# KiCad board tekskey-rounded-num.kicad_pcb (continued)
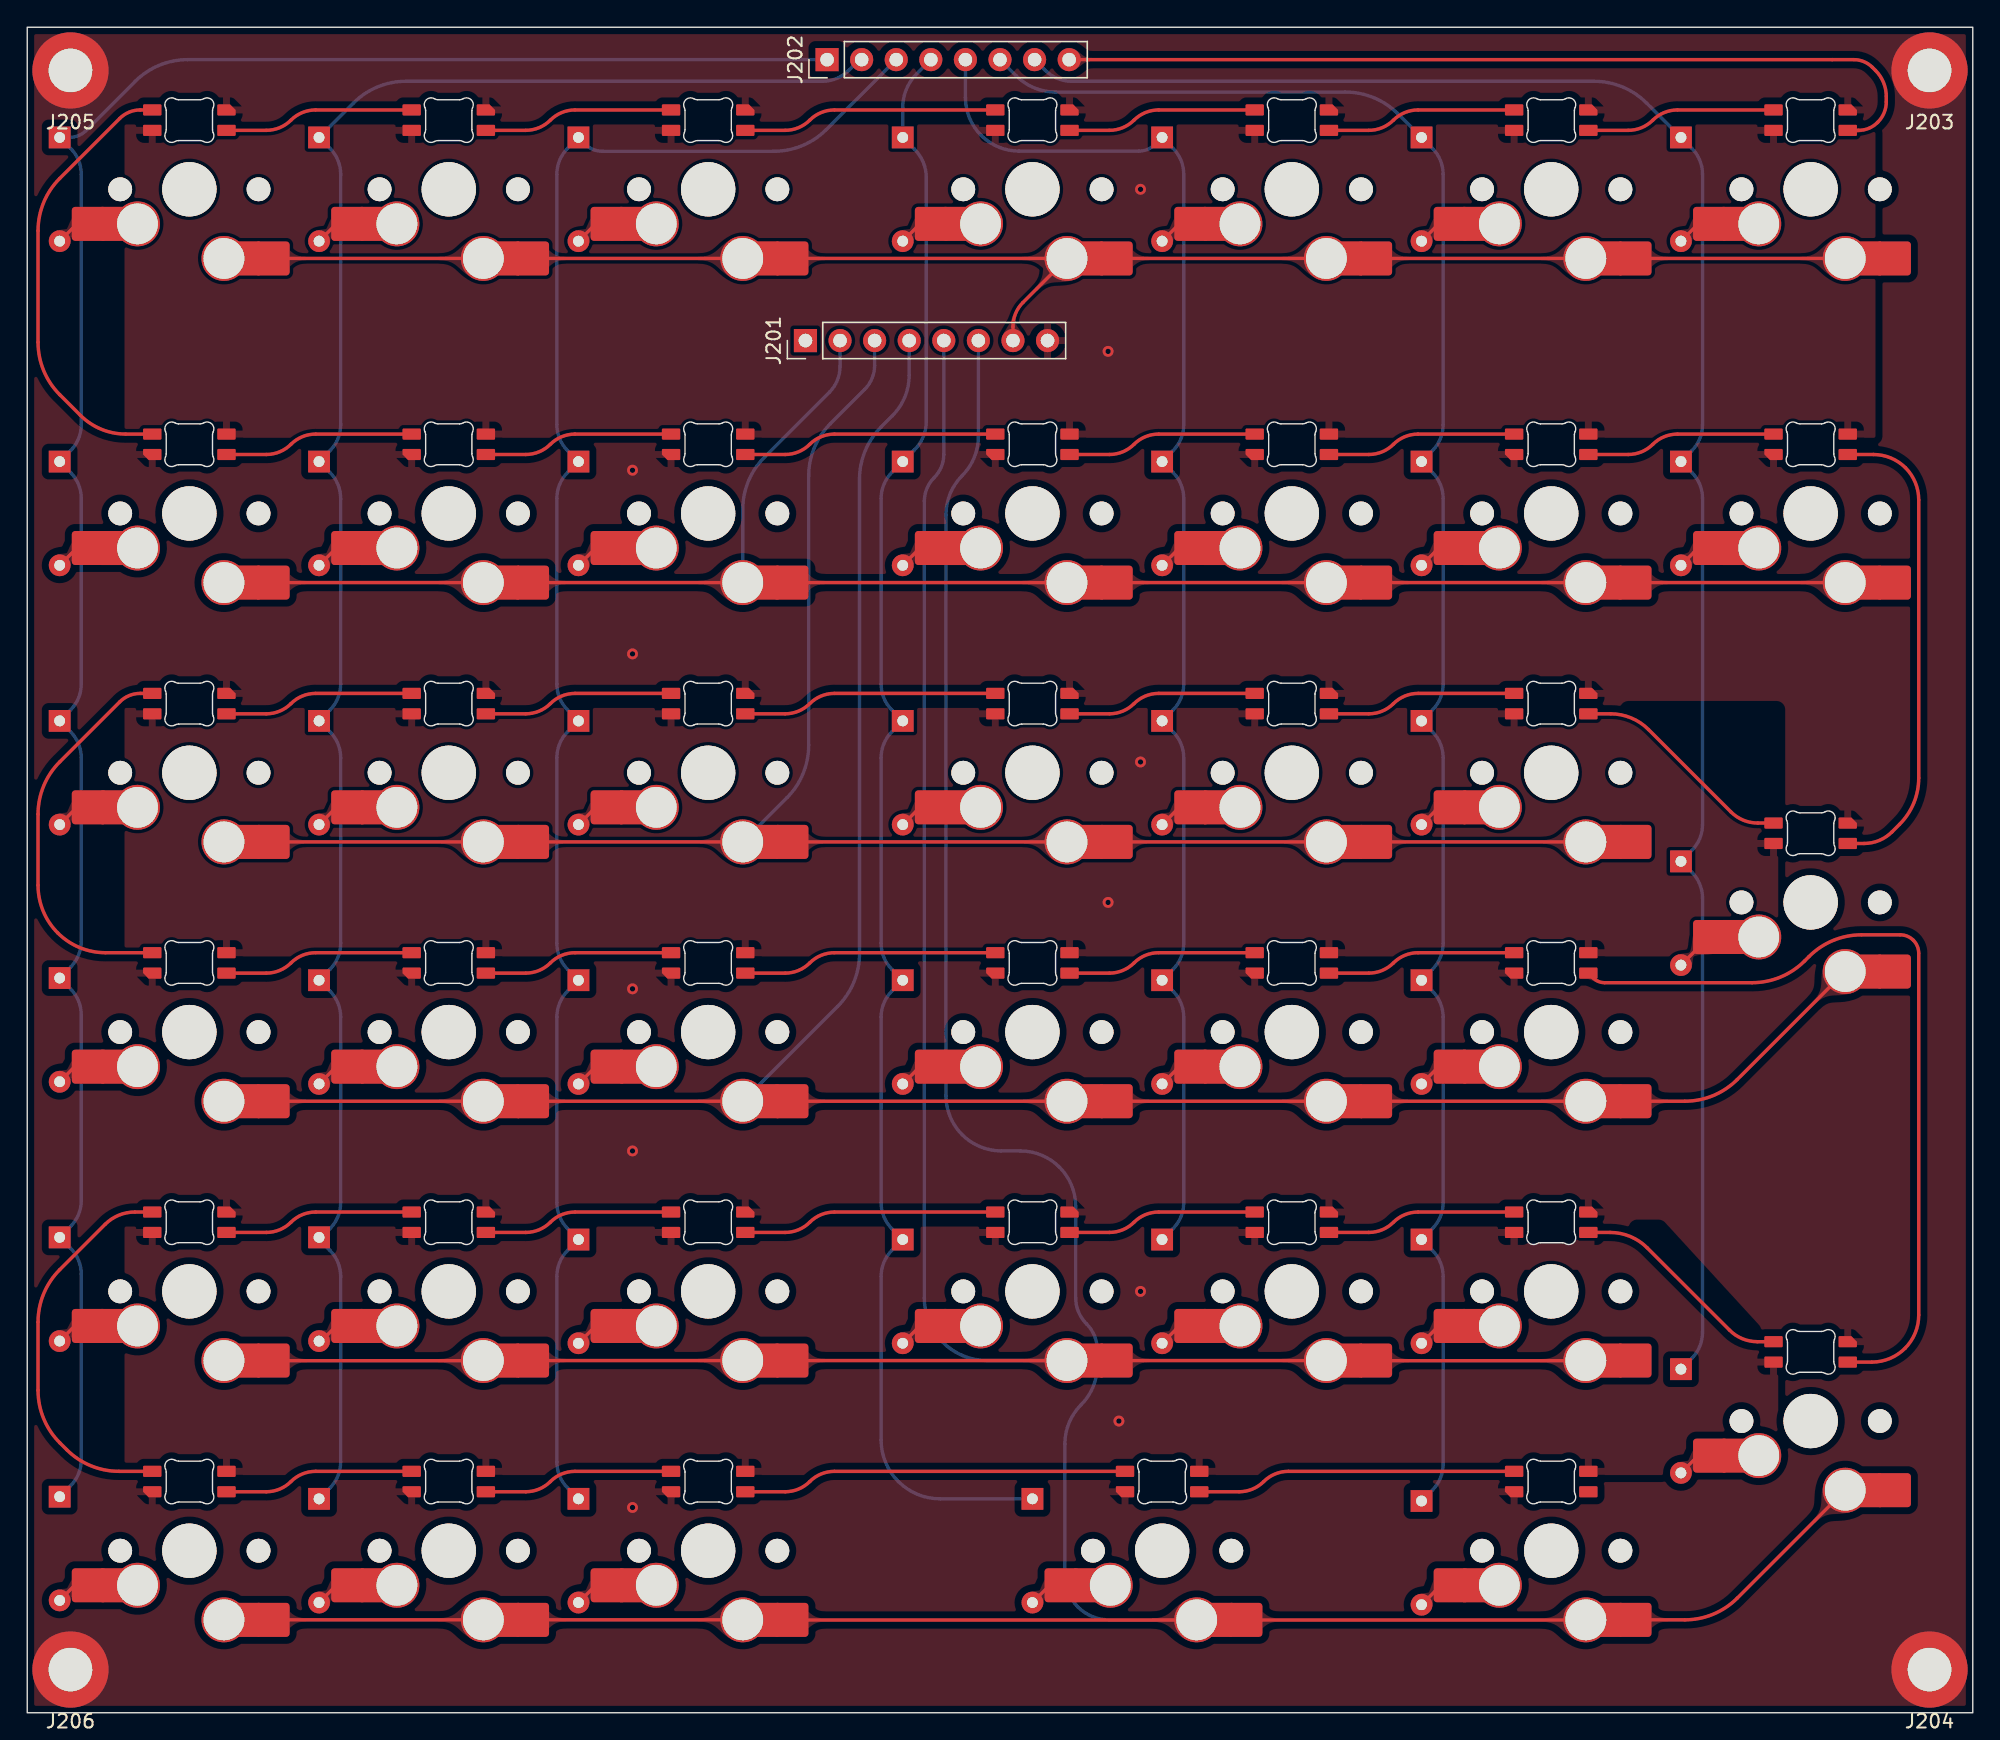
[diagram p0: board, top side]
## Routing (per net, layer and track width the routed paths; a pad name or vN(x,y) marks a point on that pad's centre or on a via; arc(x,y) is an arc through that point) (continued)
nLEDIN: length 66
  Top w0.25: LED207.3 134.5,116.25 arc(135.24,116.4) 135.87,116.82 135.91,116.86 arc(136.37,117.54) 136.53,118.34 136.53,118.73 arc(136.32,119.77) 135.73,120.65 135.5,120.88 arc(134.88,121.3) 134.14,121.44 J202.8
nrow0: length 105.3
  Top w0.25: J201.7 72.39,101.84 arc(72.58,102.79) 73.12,103.6 SW204.2 SW203.2 ; SW204.2 SW205.2 ; SW205.2 SW206.2 ; SW202.2 SW203.2 ; SW206.2 SW207.2 ; SW201.2 SW202.2
nrow1: length 117.4
  Top w0.25: SW214.2 SW213.2 ; SW209.2 SW208.2 ; SW210.2 SW209.2 ; SW213.2 SW212.2 ; SW212.2 SW211.2 ; SW211.2 SW210.2
  Bottom w0.25: SW210.2 52.55,88.39 arc(52.96,90.47) 54.14,92.24 58.9,97 arc(59.49,97.87) 59.69,98.9 59.69,100.01
nrow2: length 121.7
  Top w0.25: SW215.2 SW216.2 ; SW219.2 SW220.2 ; SW218.2 SW219.2 ; SW216.2 SW217.2 ; SW217.2 SW218.2
  Bottom w0.25: 62.23,100.01 62.23,98.98 arc(62.04,98.03) 61.5,97.22 58.98,94.7 arc(57.8,92.94) 57.39,90.85 57.39,71.07 arc(56.97,68.99) 55.79,67.22 SW217.2
nrow3: length 161
  Top w0.25: SW221.2 125.58,46.52 arc(123.81,45.34) 121.73,44.93 SW227.2 ; SW227.2 SW226.2 ; SW224.2 SW223.2 ; SW225.2 SW224.2 ; SW223.2 SW222.2 ; SW226.2 SW225.2
  Bottom w0.25: 64.77,100.01 64.77,98.27 arc(64.45,96.65) 63.54,95.29 62.71,94.46 arc(61.53,92.7) 61.12,90.61 61.12,55.75 arc(60.7,53.67) 59.52,51.9 SW224.2
nrow4: length 165.2
  Top w0.25: 18.01,25.86 33.48,25.86 ; 98.97,25.86 114.45,25.86 ; SW232.2 SW233.2 ; SW231.2 SW232.2 ; SW230.2 SW231.2
  Bottom w0.25: 67.31,100.01 67.31,92.45 arc(67.12,91.52) 66.6,90.73 arc(66.07,89.93) 65.88,89 65.88,30.48 arc(66.23,28.72) 67.23,27.23 arc(68.73,26.23) 70.49,25.88 SW232.2
nrow5: length 214.2
  Top w0.25: 133.51,16.35 125.58,8.42 arc(123.81,7.24) 121.73,6.83 SW241.2 ; SW236.2 SW237.2 ; 56.11,6.81 85.87,6.81 ; SW237.2 SW238.2 ; 89.45,6.81 114.45,6.81
  Bottom w0.25: 69.85,100.01 69.85,93.76 arc(69.54,92.2) 68.66,90.88 arc(67.78,89.57) 67.47,88.01 67.47,45.34 arc(67.78,43.78) 68.66,42.47 arc(69.98,41.58) 71.53,41.28 72.93,41.28 arc(74.48,40.97) 75.8,40.08 arc(76.68,38.77) 76.99,37.21 76.99,30.49 arc(77.2,29.45) 77.79,28.58 arc(78.37,27.7) 78.58,26.66 78.58,25.5 arc(78.27,23.94) 77.39,22.62 arc(76.51,21.3) 76.2,19.75 76.2,10.08 arc(76.45,8.83) 77.15,7.78 arc(78.21,7.07) 79.45,6.83 SW239.2
Net-(D201-Pad2): length 1.8
  Top w0.25: D201.2 3.65,109.38
Net-(D202-Pad2): length 1.8
  Top w0.25: D202.2 22.7,109.38
Net-(D203-Pad2): length 1.8
  Top w0.25: D203.2 41.75,109.38
Net-(D204-Pad2): length 1.8
  Top w0.25: D204.2 65.56,109.38
Net-(D205-Pad2): length 1.8
  Top w0.25: D205.2 84.61,109.38
Net-(D206-Pad2): length 1.8
  Top w0.25: D206.2 103.66,109.38
Net-(D207-Pad2): length 1.8
  Top w0.25: D207.2 122.71,109.38
Net-(D208-Pad2): length 1.8
  Top w0.25: D208.2 3.65,85.57
Net-(D209-Pad2): length 1.8
  Top w0.25: D209.2 22.7,85.57
Net-(D210-Pad2): length 1.8
  Top w0.25: D210.2 41.75,85.57
Net-(D211-Pad2): length 1.8
  Top w0.25: D211.2 65.56,85.57
Net-(D212-Pad2): length 1.8
  Top w0.25: D212.2 84.61,85.57
Net-(D213-Pad2): length 1.8
  Top w0.25: D213.2 103.66,85.57
Net-(D214-Pad2): length 2.6
  Top w0.25: SW214.1 123.16,85.57 arc(122.75,85.48) 122.4,85.25 D214.2
Net-(D215-Pad2): length 1.8
  Top w0.25: D215.2 3.65,66.52
Net-(D216-Pad2): length 1.8
  Top w0.25: D216.2 22.7,66.52
Net-(D217-Pad2): length 1.8
  Top w0.25: D217.2 41.75,66.52
Net-(D218-Pad2): length 1.8
  Top w0.25: D218.2 65.56,66.52
Net-(D219-Pad2): length 1.8
  Top w0.25: D219.2 84.61,66.52
Net-(D220-Pad2): length 1.8
  Top w0.25: D220.2 103.66,66.52
Net-(D221-Pad2): length 1.8
  Top w0.25: D221.2 122.71,56.2
Net-(D222-Pad2): length 1.6
  Top w0.25: D222.2 3.49,47.47
Net-(D223-Pad2): length 1.8
  Top w0.25: D223.2 22.7,47.47
Net-(D224-Pad2): length 1.8
  Top w0.25: D224.2 41.75,47.47
Net-(D225-Pad2): length 1.8
  Top w0.25: D225.2 65.56,47.47
Net-(D226-Pad2): length 1.8
  Top w0.25: D226.2 84.61,47.47
Net-(D227-Pad2): length 1.8
  Top w0.25: D227.2 103.66,47.47
Net-(D229-Pad2): length 1.6
  Top w0.25: D229.2 3.49,28.42
Net-(D230-Pad2): length 1.8
  Top w0.25: 21.43,27.15 22.7,28.42
Net-(D231-Pad2): length 1.8
  Top w0.25: D231.2 41.75,28.42
Net-(D232-Pad2): length 1.8
  Top w0.25: D232.2 65.56,28.42
Net-(D233-Pad2): length 1.8
  Top w0.25: D233.2 84.61,28.42
Net-(D234-Pad2): length 1.8
  Top w0.25: D234.2 103.66,28.42
Net-(D235-Pad2): length 1.8
  Top w0.25: D235.2 122.71,18.89
Net-(D236-Pad2): length 1.6
  Top w0.25: D236.2 3.49,9.37
Net-(D237-Pad2): length 1.8
  Top w0.25: D237.2 22.7,9.37
Net-(D238-Pad2): length 1.8
  Top w0.25: D238.2 41.75,9.37
Net-(D239-Pad2): length 1.8
  Top w0.25: D239.2 75.09,9.37
Net-(D241-Pad2): length 2
  Top w0.25: D241.2 103.82,9.37
Net-(LED201-Pad2): length 33.3
  Top w0.25: LED208.3 7.23,93.94 arc(5.43,94.29) 3.9,95.31 2.39,96.83 arc(1.21,98.6) 0.79,100.68 0.79,108.87 arc(1.21,110.95) 2.39,112.72 6.79,117.13 arc(7.48,117.59) 8.3,117.75 LED201.2
Net-(LED201-Pad3): length 14
  Top w0.25: LED202.2 21.18,117.75 arc(20.2,117.55) 19.37,117 arc(18.54,116.44) 17.56,116.25 LED201.3
Net-(LED202-Pad3): length 14
  Top w0.25: LED202.3 36.61,116.25 arc(37.59,116.44) 38.42,117 arc(39.25,117.55) 40.23,117.75 LED203.2
Net-(LED203-Pad3): length 18.8
  Top w0.25: LED204.2 59.28,117.75 arc(58.3,117.55) 57.47,117 arc(56.64,116.44) 55.66,116.25 LED203.3
Net-(LED204-Pad3): length 14
  Top w0.25: LED204.3 79.47,116.25 arc(80.45,116.44) 81.28,117 arc(82.11,117.55) 83.09,117.75 LED205.2
Net-(LED205-Pad3): length 14
  Top w0.25: LED205.3 98.52,116.25 arc(99.5,116.44) 100.33,117 arc(101.16,117.55) 102.14,117.75 LED206.2
Net-(LED206-Pad3): length 14
  Top w0.25: LED206.3 117.57,116.25 arc(118.55,116.44) 119.38,117 arc(120.21,117.55) 121.19,117.75 LED207.2
Net-(LED208-Pad2): length 14
  Top w0.25: LED209.3 21.18,93.94 arc(20.2,93.74) 19.37,93.19 arc(18.54,92.63) 17.56,92.44 LED208.2
Net-(LED209-Pad2): length 14
  Top w0.25: LED209.2 36.61,92.44 arc(37.59,92.63) 38.42,93.19 arc(39.25,93.74) 40.23,93.94 LED210.3
Net-(LED210-Pad2): length 18.8
  Top w0.25: LED210.2 55.66,92.44 arc(56.64,92.63) 57.47,93.19 arc(58.3,93.74) 59.28,93.94 LED211.3
Net-(LED211-Pad2): length 14
  Top w0.25: LED212.3 83.09,93.94 arc(82.11,93.74) 81.28,93.19 arc(80.45,92.63) 79.47,92.44 LED211.2
Net-(LED212-Pad2): length 14
  Top w0.25: LED213.3 102.14,93.94 arc(101.16,93.74) 100.33,93.19 arc(99.5,92.63) 98.52,92.44 LED212.2
Net-(LED213-Pad2): length 14
  Top w0.25: LED214.3 121.19,93.94 arc(120.21,93.74) 119.38,93.19 arc(118.55,92.63) 117.57,92.44 LED213.2
Net-(LED214-Pad2): length 35.6
  Top w0.25: LED221.3 134.89,63.86 arc(136,64.08) 136.94,64.71 137.5,65.27 arc(138.54,66.83) 138.91,68.66 138.91,89.11 arc(138.65,90.38) 137.93,91.46 arc(136.85,92.18) 135.58,92.44 LED214.2
Net-(LED215-Pad2): length 29.5
  Top w0.25: LED215.2 8.3,74.89 arc(7.48,74.72) 6.79,74.26 2.39,69.86 arc(1.21,68.09) 0.79,66.01 0.79,60.79 arc(1.17,58.89) 2.24,57.29 arc(3.85,56.21) 5.75,55.84 LED222.3
Net-(LED215-Pad3): length 14
  Top w0.25: LED215.3 17.56,73.39 arc(18.54,73.58) 19.37,74.14 arc(20.2,74.69) 21.18,74.89 LED216.2
Net-(LED216-Pad3): length 14
  Top w0.25: LED216.3 36.61,73.39 arc(37.59,73.58) 38.42,74.14 arc(39.25,74.69) 40.23,74.89 LED217.2
Net-(LED217-Pad3): length 18.8
  Top w0.25: LED218.2 59.28,74.89 arc(58.3,74.69) 57.47,74.14 arc(56.64,73.58) 55.66,73.39 LED217.3
Net-(LED218-Pad3): length 14
  Top w0.25: LED219.2 83.09,74.89 arc(82.11,74.69) 81.28,74.14 arc(80.45,73.58) 79.47,73.39 LED218.3
Net-(LED219-Pad3): length 14
  Top w0.25: LED220.2 102.14,74.89 arc(101.16,74.69) 100.33,74.14 arc(99.5,73.58) 98.52,73.39 LED219.3
Net-(LED220-Pad3): length 16.6
  Top w0.25: LED220.3 116.28,73.39 arc(117.78,73.09) 119.06,72.23 125.12,66.18 arc(126.02,65.57) 127.09,65.36 LED221.2
Net-(LED222-Pad2): length 14
  Top w0.25: LED223.3 21.18,55.84 arc(20.2,55.64) 19.37,55.09 arc(18.54,54.53) 17.56,54.34 LED222.2
Net-(LED223-Pad2): length 14
  Top w0.25: LED224.3 40.23,55.84 arc(39.25,55.64) 38.42,55.09 arc(37.59,54.53) 36.61,54.34 LED223.2
Net-(LED224-Pad2): length 18.8
  Top w0.25: LED224.2 55.66,54.34 arc(56.64,54.53) 57.47,55.09 arc(58.3,55.64) 59.28,55.84 LED225.3
Net-(LED225-Pad2): length 14
  Top w0.25: LED225.2 79.47,54.34 arc(80.45,54.53) 81.28,55.09 arc(82.11,55.64) 83.09,55.84 LED226.3
Net-(LED226-Pad2): length 14
  Top w0.25: LED227.3 102.14,55.84 arc(101.16,55.64) 100.33,55.09 arc(99.5,54.53) 98.52,54.34 LED226.2
Net-(LED227-Pad2): length 60
  Top w0.25: LED227.2 115,53.98 arc(115.38,53.72) 115.84,53.63 126.68,53.63 arc(128.76,54.05) 130.52,55.23 130.85,55.56 arc(132.62,56.74) 134.7,57.15 137.55,57.15 arc(138.07,57.05) 138.51,56.75 arc(138.8,56.31) 138.91,55.79 138.91,29.21 arc(138.64,27.89) 137.9,26.77 arc(136.78,26.02) 135.46,25.76 LED235.3
Net-(LED229-Pad2): length 29.4
  Top w0.25: LED236.3 6.74,17.74 arc(4.66,18.15) 2.89,19.33 2.39,19.84 arc(1.21,21.6) 0.79,23.69 0.79,28.7 arc(1.21,30.78) 2.39,32.55 5.72,35.88 arc(6.72,36.55) 7.9,36.79 LED229.2
Net-(LED229-Pad3): length 14
  Top w0.25: LED229.3 17.56,35.29 arc(18.54,35.48) 19.37,36.04 arc(20.2,36.59) 21.18,36.79 LED230.2
Net-(LED230-Pad3): length 14
  Top w0.25: LED231.2 40.23,36.79 arc(39.25,36.59) 38.42,36.04 arc(37.59,35.48) 36.61,35.29 LED230.3
Net-(LED231-Pad3): length 18.8
  Top w0.25: LED232.2 59.28,36.79 arc(58.3,36.59) 57.47,36.04 arc(56.64,35.48) 55.66,35.29 LED231.3
Net-(LED232-Pad3): length 14
  Top w0.25: LED232.3 79.47,35.29 arc(80.45,35.48) 81.28,36.04 arc(82.11,36.59) 83.09,36.79 LED233.2
Net-(LED233-Pad3): length 14
  Top w0.25: LED233.3 98.52,35.29 arc(99.5,35.48) 100.33,36.04 arc(101.16,36.59) 102.14,36.79 LED234.2
Net-(LED234-Pad3): length 16.6
  Top w0.25: LED235.2 127.05,27.26 arc(125.95,27.48) 125.02,28.1 118.96,34.16 arc(117.71,34.99) 116.24,35.29 LED234.3
Net-(LED236-Pad2): length 14
  Top w0.25: LED237.3 21.18,17.74 arc(20.2,17.54) 19.37,16.99 arc(18.54,16.43) 17.56,16.24 LED236.2
Net-(LED237-Pad2): length 14
  Top w0.25: LED237.2 36.61,16.24 arc(37.59,16.43) 38.42,16.99 arc(39.25,17.54) 40.23,17.74 LED238.3
Net-(LED238-Pad2): length 28.3
  Top w0.25: LED239.3 59.28,17.74 arc(58.3,17.54) 57.47,16.99 arc(56.64,16.43) 55.66,16.24 LED238.2
Net-(LED239-Pad2): length 23.5
  Top w0.25: LED239.2 88.99,16.24 arc(89.97,16.43) 90.81,16.99 arc(91.64,17.54) 92.62,17.74 LED241.3

## Copper pours and planes (outline as drawn; the poured copper is in the pictures)
+5VA on Top: 135.73,93.66 7.14,93.66 7.14,116.68 135.73,116.68
+5VA on Top: 128.59,26.19 128.59,17.46 7.14,17.46 7.14,35.72 119.86,35.72
+5VA on Top: 128.59,55.56 7.14,55.56 7.14,73.82 128.59,73.82
+5VA on Top: 115.09,32.54 108.74,32.54 108.74,34.93 115.09,34.93
+5VA on Bottom: 84.14,13.49 75.41,13.49 75.41,115.09 84.93,115.09
GND1 on Top, Bottom: 142.88,0 0,0 0,123.83 142.88,123.83
GND1 on Bottom: 48.42,13.49 41.27,13.49 41.27,113.51 48.42,113.51
ncol0 on Bottom: 3.54,17.37 3.43,17.18 3.31,17.04 3.19,16.94 3.07,16.87 2.94,16.82 2.8,16.79 2.49,16.73 2.31,16.69 2.12,16.63 2.1,15.59 3.14,15.61 3.2,15.81 3.26,15.99 3.35,16.28 3.39,16.42 3.44,16.55 3.49,16.69 3.56,16.85 3.65,17.04 3.76,17.25
ncol0 on Bottom: 3.88,116.06 3.73,115.99 3.6,115.96 3.49,115.97 3.38,116 3.28,116.06 3.18,116.13 3.08,116.22 2.97,116.3 2.85,116.38 2.71,116.46 1.98,115.72 2.78,115.03 2.93,115.12 3.06,115.21 3.17,115.28 3.27,115.35 3.46,115.49 3.57,115.57 3.69,115.65 3.83,115.74 4.01,115.84
ncol0 on Bottom: 3.54,93.41 3.43,93.22 3.31,93.08 3.19,92.98 3.07,92.91 2.94,92.86 2.8,92.83 2.49,92.77 2.31,92.73 2.12,92.67 2.1,91.63 3.14,91.65 3.2,91.86 3.26,92.03 3.35,92.32 3.39,92.46 3.44,92.59 3.49,92.73 3.56,92.89 3.65,93.08 3.76,93.29
ncol0 on Bottom: 3.76,114.35 3.65,114.57 3.56,114.75 3.49,114.91 3.44,115.05 3.39,115.19 3.35,115.32 3.26,115.62 3.2,115.79 3.14,115.99 2.1,116.01 2.12,114.97 2.31,114.92 2.49,114.88 2.8,114.82 2.94,114.78 3.07,114.73 3.19,114.66 3.31,114.56 3.43,114.42 3.54,114.24
ncol0 on Bottom: 3.76,33.55 3.65,33.76 3.56,33.95 3.49,34.11 3.44,34.25 3.39,34.38 3.35,34.52 3.26,34.81 3.2,34.99 3.14,35.19 2.1,35.21 2.12,34.17 2.31,34.11 2.49,34.07 2.8,34.01 2.94,33.98 3.07,33.93 3.19,33.86 3.31,33.76 3.43,33.62 3.54,33.43
ncol0 on Bottom: 57.05,121.32 57.25,121.31 57.41,121.28 57.55,121.23 57.66,121.17 57.76,121.1 57.86,121.03 57.96,120.94 58.08,120.85 58.21,120.77 58.37,120.68 59.16,121.44 58.37,122.21 58.21,122.12 58.08,122.03 57.96,121.95 57.86,121.86 57.76,121.78 57.66,121.71 57.55,121.65 57.41,121.61 57.25,121.58 57.05,121.57
ncol0 on Bottom: 3.76,90.54 3.65,90.75 3.56,90.94 3.49,91.1 3.44,91.24 3.39,91.38 3.35,91.51 3.26,91.8 3.2,91.98 3.14,92.18 2.1,92.2 2.12,91.16 2.31,91.1 2.49,91.06 2.8,91 2.94,90.97 3.07,90.92 3.19,90.85 3.31,90.75 3.43,90.61 3.54,90.42
ncol0 on Bottom: 3.54,36.42 3.43,36.23 3.31,36.09 3.19,35.99 3.07,35.92 2.94,35.87 2.8,35.84 2.49,35.78 2.31,35.74 2.12,35.68 2.1,34.64 3.14,34.66 3.2,34.86 3.26,35.04 3.35,35.33 3.39,35.47 3.44,35.6 3.49,35.74 3.56,35.9 3.65,36.09 3.76,36.3
ncol1 on Bottom: 22.81,52.44 22.7,52.65 22.61,52.84 22.54,53 22.49,53.14 22.44,53.28 22.4,53.41 22.31,53.7 22.25,53.88 22.19,54.08 21.15,54.1 21.17,53.06 21.36,53 21.54,52.96 21.85,52.9 21.99,52.87 22.12,52.82 22.24,52.75 22.36,52.65 22.48,52.51 22.59,52.32
ncol1 on Bottom: 22.59,17.21 22.48,17.02 22.36,16.88 22.24,16.78 22.12,16.71 21.99,16.66 21.85,16.63 21.54,16.57 21.36,16.53 21.17,16.47 21.15,15.43 22.19,15.45 22.25,15.66 22.31,15.83 22.4,16.12 22.44,16.26 22.49,16.39 22.54,16.53 22.61,16.69 22.7,16.88 22.81,17.09
ncol1 on Bottom: 22.81,71.49 22.7,71.7 22.61,71.89 22.54,72.05 22.49,72.19 22.44,72.33 22.4,72.46 22.31,72.75 22.25,72.93 22.19,73.13 21.15,73.15 21.17,72.11 21.36,72.05 21.54,72.01 21.85,71.95 21.99,71.92 22.12,71.87 22.24,71.8 22.36,71.7 22.48,71.56 22.59,71.37
ncol1 on Bottom: 22.59,93.41 22.48,93.22 22.36,93.08 22.24,92.98 22.12,92.91 21.99,92.86 21.85,92.83 21.54,92.77 21.36,92.73 21.17,92.67 21.15,91.63 22.19,91.65 22.25,91.86 22.31,92.03 22.4,92.32 22.44,92.46 22.49,92.59 22.54,92.73 22.61,92.89 22.7,93.08 22.81,93.29
ncol1 on Bottom: 22.81,90.54 22.7,90.75 22.61,90.94 22.54,91.1 22.49,91.24 22.44,91.38 22.4,91.51 22.31,91.8 22.25,91.98 22.19,92.18 21.15,92.2 21.17,91.16 21.36,91.1 21.54,91.06 21.85,91 21.99,90.97 22.12,90.92 22.24,90.85 22.36,90.75 22.48,90.61 22.59,90.42
ncol1 on Bottom: 59.7,120.04 59.92,120.15 60.12,120.25 60.29,120.32 60.44,120.38 60.58,120.42 60.72,120.46 60.87,120.49 61.04,120.53 61.23,120.57 61.45,120.61 61.61,121.7 60.52,121.83 60.43,121.62 60.36,121.43 60.31,121.25 60.27,121.08 60.22,120.93 60.16,120.79 60.07,120.65 59.96,120.52 59.8,120.39 59.58,120.26
ncol1 on Bottom: 22.59,74.36 22.48,74.17 22.36,74.03 22.24,73.93 22.12,73.86 21.99,73.81 21.85,73.78 21.54,73.72 21.36,73.68 21.17,73.62 21.15,72.58 22.19,72.6 22.25,72.81 22.31,72.98 22.4,73.27 22.44,73.41 22.49,73.54 22.54,73.68 22.61,73.84 22.7,74.03 22.81,74.24
ncol1 on Bottom: 22.81,33.39 22.7,33.61 22.6,33.8 22.52,33.96 22.46,34.1 22.41,34.24 22.37,34.38 22.33,34.52 22.3,34.68 22.26,34.86 22.22,35.08 21.19,35.24 21.07,34.21 21.27,34.12 21.45,34.05 21.62,34 21.78,33.95 21.93,33.9 22.07,33.84 22.21,33.76 22.34,33.64 22.46,33.48 22.59,33.27
ncol1 on Bottom: 22.47,116.94 22.33,116.82 22.2,116.73 22.08,116.67 21.96,116.63 21.85,116.61 21.73,116.59 21.61,116.58 21.48,116.56 21.33,116.53 21.17,116.48 21.15,115.45 22.19,115.47 22.23,115.63 22.26,115.77 22.28,115.91 22.29,116.03 22.31,116.15 22.33,116.26 22.37,116.38 22.43,116.5 22.52,116.63 22.64,116.76
ncol1 on Bottom: 22.59,55.31 22.48,55.12 22.36,54.98 22.24,54.88 22.12,54.81 21.99,54.76 21.85,54.73 21.54,54.67 21.36,54.63 21.17,54.57 21.15,53.53 22.19,53.55 22.25,53.76 22.31,53.93 22.4,54.22 22.44,54.36 22.49,54.49 22.54,54.63 22.61,54.79 22.7,54.98 22.81,55.19
ncol1 on Bottom: 22.81,114.35 22.7,114.57 22.61,114.75 22.54,114.91 22.49,115.05 22.44,115.19 22.4,115.32 22.31,115.62 22.25,115.79 22.19,115.99 21.15,116.01 21.17,114.97 21.36,114.92 21.54,114.88 21.85,114.82 21.99,114.78 22.12,114.73 22.24,114.66 22.36,114.56 22.48,114.42 22.59,114.24
ncol1 on Bottom: 22.59,36.26 22.49,36.1 22.39,35.97 22.28,35.89 22.17,35.83 22.05,35.79 21.92,35.77 21.78,35.76 21.63,35.75 21.47,35.74 21.3,35.71 21.11,34.69 22.14,34.55 22.23,34.74 22.31,34.9 22.36,35.04 22.41,35.18 22.5,35.44 22.55,35.59 22.62,35.75 22.7,35.93 22.81,36.14
ncol2 on Bottom: 39.1,17.09 39.21,16.88 39.3,16.69 39.37,16.53 39.43,16.39 39.47,16.26 39.52,16.12 39.6,15.83 39.66,15.66 39.73,15.45 40.76,15.43 40.74,16.47 40.55,16.53 40.38,16.57 40.06,16.63 39.92,16.66 39.79,16.71 39.67,16.78 39.55,16.88 39.44,17.02 39.32,17.21
ncol2 on Bottom: 39.1,36.14 39.21,35.93 39.3,35.74 39.37,35.58 39.43,35.44 39.47,35.31 39.52,35.17 39.6,34.88 39.66,34.71 39.73,34.5 40.76,34.48 40.74,35.52 40.55,35.58 40.38,35.62 40.06,35.68 39.92,35.71 39.79,35.76 39.67,35.83 39.55,35.93 39.44,36.07 39.32,36.26
ncol2 on Bottom: 62.71,120.16 62.86,120.29 63,120.39 63.12,120.45 63.25,120.49 63.37,120.52 63.49,120.53 63.63,120.54 63.77,120.56 63.92,120.59 64.1,120.64 64.12,121.74 63.01,121.72 62.96,121.55 62.93,121.39 62.92,121.25 62.9,121.12 62.89,121 62.87,120.87 62.83,120.75 62.76,120.62 62.67,120.49 62.53,120.34
ncol2 on Bottom: 41.78,114.9 41.63,114.95 41.51,115.03 41.44,115.11 41.39,115.21 41.35,115.32 41.34,115.44 41.32,115.57 41.3,115.71 41.28,115.86 41.23,116.01 40.19,116 40.27,114.96 40.44,114.91 40.59,114.88 40.72,114.85 40.84,114.83 41.08,114.8 41.21,114.78 41.35,114.75 41.52,114.71 41.72,114.66
ncol2 on Bottom: 39.32,114.24 39.44,114.42 39.55,114.56 39.67,114.66 39.79,114.73 39.92,114.78 40.06,114.82 40.38,114.88 40.55,114.92 40.74,114.97 40.76,116.01 39.73,115.99 39.66,115.79 39.6,115.62 39.52,115.32 39.47,115.19 39.43,115.05 39.37,114.91 39.3,114.75 39.21,114.57 39.1,114.35
ncol2 on Bottom: 39.32,33.27 39.44,33.46 39.55,33.6 39.67,33.7 39.79,33.77 39.92,33.82 40.06,33.85 40.38,33.91 40.55,33.95 40.74,34.01 40.76,35.05 39.73,35.03 39.66,34.83 39.6,34.65 39.52,34.36 39.47,34.23 39.43,34.09 39.37,33.95 39.3,33.79 39.21,33.6 39.1,33.39
ncol3 on Bottom: 64.91,119.68 65.06,119.9 65.21,120.08 65.35,120.21 65.5,120.3 65.66,120.37 65.82,120.42 66,120.47 66.19,120.51 66.4,120.57 66.64,120.64 66.66,121.74 65.55,121.72 65.47,121.48 65.4,121.27 65.34,121.09 65.28,120.93 65.21,120.77 65.14,120.62 65.06,120.45 64.96,120.27 64.84,120.06 64.7,119.81
ncol3 on Bottom: 62.92,74.24 63.03,74.03 63.11,73.84 63.18,73.68 63.24,73.54 63.29,73.41 63.33,73.27 63.42,72.98 63.47,72.81 63.54,72.6 64.58,72.58 64.56,73.62 64.36,73.68 64.19,73.72 63.88,73.78 63.74,73.81 63.61,73.86 63.48,73.93 63.36,74.03 63.25,74.17 63.14,74.36
ncol3 on Bottom: 64.17,117.32 64.16,117.13 64.13,116.98 64.09,116.85 64.04,116.74 63.97,116.64 63.9,116.55 63.82,116.46 63.74,116.35 63.65,116.23 63.57,116.08 64.29,115.33 65.01,116.08 64.93,116.23 64.85,116.35 64.77,116.46 64.69,116.55 64.62,116.64 64.55,116.74 64.5,116.85 64.46,116.98 64.43,117.13 64.42,117.32
ncol3 on Bottom: 65.75,114.29 65.63,114.51 65.53,114.7 65.45,114.87 65.38,115.01 65.33,115.15 65.28,115.29 65.23,115.44 65.18,115.6 65.12,115.78 65.05,115.99 64.01,116.01 64.03,114.97 64.23,114.91 64.42,114.87 64.59,114.83 64.75,114.8 64.89,114.76 65.03,114.7 65.16,114.62 65.28,114.51 65.41,114.36 65.53,114.17
ncol3 on Bottom: 63.14,71.37 63.25,71.56 63.36,71.7 63.48,71.8 63.61,71.87 63.74,71.92 63.88,71.95 64.19,72.01 64.36,72.05 64.56,72.11 64.58,73.15 63.54,73.13 63.47,72.93 63.42,72.75 63.33,72.46 63.29,72.33 63.24,72.19 63.18,72.05 63.11,71.89 63.03,71.7 62.92,71.49
ncol3 on Bottom: 72.23,15.59 72.42,15.58 72.57,15.55 72.7,15.51 72.81,15.46 72.9,15.39 73,15.32 73.09,15.24 73.2,15.16 73.32,15.08 73.47,15 74.22,15.72 73.47,16.44 73.32,16.36 73.2,16.27 73.09,16.19 73,16.11 72.9,16.04 72.81,15.97 72.7,15.92 72.57,15.88 72.42,15.85 72.23,15.84
ncol4 on Bottom: 84.5,36.26 84.39,36.07 84.27,35.93 84.15,35.83 84.03,35.76 83.9,35.71 83.76,35.68 83.45,35.62 83.27,35.58 83.08,35.52 83.06,34.48 84.1,34.5 84.17,34.71 84.22,34.88 84.31,35.17 84.35,35.31 84.4,35.44 84.45,35.58 84.52,35.74 84.61,35.93 84.72,36.14
ncol4 on Bottom: 84.72,114.35 84.61,114.57 84.52,114.75 84.45,114.91 84.4,115.05 84.35,115.19 84.31,115.32 84.22,115.62 84.17,115.79 84.1,115.99 83.06,116.01 83.08,114.97 83.27,114.92 83.45,114.88 83.76,114.82 83.9,114.78 84.03,114.73 84.15,114.66 84.27,114.56 84.39,114.42 84.5,114.24
ncol4 on Bottom: 82.1,114.66 82.3,114.71 82.47,114.75 82.61,114.78 82.74,114.8 82.97,114.83 83.1,114.85 83.23,114.88 83.38,114.91 83.55,114.96 83.63,116 82.6,116.01 82.55,115.86 82.52,115.72 82.5,115.58 82.49,115.45 82.47,115.33 82.44,115.21 82.39,115.12 82.31,115.03 82.19,114.96 82.04,114.9
ncol4 on Bottom: 69.02,119.75 69.03,119.95 69.06,120.12 69.11,120.25 69.17,120.37 69.24,120.47 69.32,120.57 69.4,120.67 69.49,120.78 69.58,120.91 69.66,121.07 68.9,121.87 68.13,121.07 68.22,120.91 68.31,120.78 68.4,120.67 68.48,120.57 68.56,120.47 68.63,120.37 68.69,120.25 68.73,120.12 68.76,119.95 68.77,119.75
ncol5 on Bottom: 103.77,114.35 103.66,114.57 103.57,114.75 103.5,114.91 103.45,115.05 103.4,115.19 103.36,115.32 103.27,115.62 103.22,115.79 103.15,115.99 102.11,116.01 102.13,114.97 102.32,114.92 102.5,114.88 102.81,114.82 102.95,114.78 103.08,114.73 103.2,114.66 103.32,114.56 103.44,114.42 103.55,114.24
ncol5 on Bottom: 103.55,93.41 103.44,93.22 103.32,93.08 103.2,92.98 103.08,92.91 102.95,92.86 102.81,92.83 102.5,92.77 102.32,92.73 102.13,92.67 102.11,91.63 103.15,91.65 103.22,91.86 103.27,92.03 103.36,92.32 103.4,92.46 103.45,92.59 103.5,92.73 103.57,92.89 103.66,93.08 103.77,93.29
ncol5 on Bottom: 73.36,119.82 73.11,120 72.92,120.16 72.77,120.33 72.66,120.49 72.57,120.65 72.5,120.83 72.45,121.02 72.39,121.23 72.32,121.46 72.24,121.72 71.14,121.74 71.16,120.64 71.42,120.55 71.65,120.47 71.84,120.39 72.02,120.32 72.19,120.24 72.35,120.15 72.53,120.05 72.73,119.93 72.95,119.79 73.22,119.61
ncol5 on Bottom: 103.77,90.54 103.66,90.75 103.57,90.94 103.5,91.1 103.45,91.24 103.4,91.38 103.36,91.51 103.27,91.8 103.22,91.98 103.15,92.18 102.11,92.2 102.13,91.16 102.32,91.1 102.5,91.06 102.81,91 102.95,90.97 103.08,90.92 103.2,90.85 103.32,90.75 103.44,90.61 103.55,90.42
ncol5 on Bottom: 103.55,17.05 103.44,16.86 103.32,16.72 103.2,16.62 103.08,16.55 102.95,16.5 102.81,16.47 102.5,16.41 102.32,16.37 102.13,16.31 102.11,15.27 103.15,15.29 103.22,15.5 103.27,15.67 103.36,15.96 103.4,16.1 103.45,16.23 103.5,16.38 103.57,16.54 103.66,16.72 103.77,16.93
ncol5 on Bottom: 101.18,116.76 101.31,116.63 101.4,116.5 101.46,116.38 101.49,116.26 101.52,116.15 101.53,116.03 101.54,115.91 101.56,115.77 101.59,115.63 101.64,115.47 102.68,115.45 102.66,116.48 102.49,116.53 102.35,116.56 102.22,116.58 102.09,116.59 101.97,116.61 101.86,116.63 101.74,116.67 101.62,116.73 101.5,116.82 101.36,116.94
ncol6 on Bottom: 120.23,116.76 120.36,116.63 120.45,116.5 120.51,116.38 120.54,116.26 120.57,116.15 120.58,116.03 120.59,115.91 120.61,115.77 120.64,115.63 120.69,115.47 121.73,115.45 121.71,116.48 121.54,116.53 121.4,116.56 121.27,116.58 121.14,116.59 121.02,116.61 120.91,116.63 120.79,116.67 120.67,116.73 120.55,116.82 120.41,116.94
ncol6 on Bottom: 75.51,120.26 75.32,120.38 75.18,120.49 75.08,120.61 75.01,120.74 74.96,120.88 74.93,121.02 74.88,121.35 74.84,121.53 74.78,121.72 73.68,121.74 73.7,120.64 73.91,120.57 74.09,120.52 74.25,120.47 74.39,120.43 74.53,120.4 74.67,120.35 74.82,120.3 74.99,120.24 75.18,120.15 75.4,120.04
ncol6 on Bottom: 122.6,26.73 122.49,26.55 122.37,26.41 122.25,26.31 122.13,26.24 122,26.19 121.86,26.15 121.55,26.09 121.37,26.05 121.18,26 121.16,24.96 122.2,24.98 122.27,25.18 122.32,25.35 122.41,25.65 122.45,25.78 122.5,25.92 122.55,26.06 122.62,26.22 122.71,26.4 122.82,26.62
ncol6 on Bottom: 122.82,114.35 122.71,114.57 122.62,114.75 122.55,114.91 122.5,115.05 122.45,115.19 122.41,115.32 122.32,115.62 122.27,115.79 122.2,115.99 121.16,116.01 121.18,114.97 121.37,114.92 121.55,114.88 121.86,114.82 122,114.78 122.13,114.73 122.25,114.66 122.37,114.56 122.49,114.42 122.6,114.24
nLEDIN on Top: 78.21,121.57 78.01,121.58 77.84,121.61 77.71,121.65 77.59,121.71 77.49,121.78 77.39,121.86 77.29,121.95 77.18,122.03 77.05,122.12 76.89,122.21 76.09,121.44 76.89,120.68 77.05,120.77 77.18,120.85 77.29,120.94 77.39,121.03 77.49,121.1 77.59,121.17 77.71,121.23 77.84,121.28 78.01,121.31 78.21,121.32
nLEDIN on Top: 134.88,116.41 134.74,116.39 134.62,116.38 134.51,116.37 134.42,116.38 134.33,116.4 134.25,116.43 134.17,116.47 134.08,116.51 133.98,116.56 133.87,116.62 133.49,116.25 133.87,115.88 133.99,115.93 134.09,115.98 134.19,116.01 134.27,116.04 134.36,116.06 134.45,116.08 134.65,116.12 134.78,116.14 134.93,116.17
nrow0 on Top: 30.21,106.71 30.6,106.69 30.92,106.63 31.18,106.53 31.4,106.4 31.6,106.25 31.79,106.08 31.98,105.9 32.2,105.71 32.46,105.53 32.78,105.35 34.32,106.84 32.78,108.32 32.46,108.15 32.2,107.97 31.98,107.78 31.79,107.6 31.6,107.43 31.4,107.28 31.18,107.15 30.92,107.05 30.6,106.99 30.21,106.96
nrow0 on Top: 39.54,106.96 39.24,106.98 39,107.03 38.8,107.1 38.63,107.19 38.48,107.3 38.34,107.43 38.19,107.56 38.02,107.7 37.83,107.83 37.59,107.96 36.42,106.84 37.59,105.71 37.83,105.84 38.02,105.98 38.19,106.12 38.34,106.25 38.48,106.37 38.63,106.48 38.8,106.58 39,106.65 39.24,106.7 39.54,106.71
nrow0 on Top: 49.26,106.71 49.65,106.69 49.97,106.63 50.23,106.53 50.45,106.4 50.65,106.25 50.84,106.08 51.03,105.9 51.25,105.71 51.51,105.53 51.83,105.35 53.37,106.84 51.83,108.32 51.51,108.15 51.25,107.97 51.03,107.78 50.84,107.6 50.65,107.43 50.45,107.28 50.23,107.15 49.97,107.05 49.65,106.99 49.26,106.96
nrow0 on Top: 58.59,106.96 58.29,106.98 58.05,107.03 57.85,107.1 57.68,107.19 57.53,107.3 57.39,107.43 57.24,107.56 57.07,107.7 56.88,107.83 56.64,107.96 55.47,106.84 56.64,105.71 56.88,105.84 57.07,105.98 57.24,106.12 57.39,106.25 57.53,106.37 57.68,106.48 57.85,106.58 58.05,106.65 58.29,106.7 58.59,106.71
nrow0 on Top: 92.12,106.71 92.51,106.69 92.83,106.63 93.09,106.53 93.32,106.4 93.51,106.25 93.7,106.08 93.89,105.9 94.11,105.71 94.37,105.53 94.69,105.35 96.23,106.84 94.69,108.32 94.37,108.15 94.11,107.97 93.89,107.78 93.7,107.6 93.51,107.43 93.32,107.28 93.09,107.15 92.83,107.05 92.51,106.99 92.12,106.96
nrow0 on Top: 120.5,106.96 120.2,106.98 119.96,107.03 119.76,107.1 119.59,107.19 119.44,107.3 119.3,107.43 119.15,107.56 118.99,107.7 118.79,107.83 118.55,107.96 117.38,106.84 118.55,105.71 118.79,105.84 118.99,105.98 119.15,106.12 119.3,106.25 119.44,106.37 119.59,106.48 119.76,106.58 119.96,106.65 120.2,106.7 120.5,106.71
nrow0 on Top: 72.42,102.71 72.33,102.49 72.25,102.31 72.18,102.15 72.11,102.02 72.04,101.9 71.89,101.66 71.81,101.52 71.72,101.36 71.62,101.18 72.39,100.38 73.16,101.18 73.06,101.35 72.96,101.49 72.87,101.62 72.78,101.74 72.7,101.86 72.63,101.98 72.59,102.11 72.58,102.26 72.59,102.43 72.65,102.63
nrow0 on Top: 73.07,106.71 73.46,106.69 73.78,106.63 74.04,106.53 74.27,106.4 74.46,106.25 74.65,106.08 74.84,105.9 75.06,105.71 75.32,105.53 75.64,105.35 77.18,106.84 75.64,108.32 75.32,108.15 75.06,107.97 74.84,107.78 74.65,107.6 74.46,107.43 74.27,107.28 74.04,107.15 73.78,107.05 73.46,106.99 73.07,106.96
nrow0 on Top: 130.22,106.71 130.61,106.69 130.93,106.63 131.19,106.53 131.42,106.4 131.61,106.25 131.8,106.08 131.99,105.9 132.21,105.71 132.47,105.53 132.79,105.35 134.33,106.84 132.79,108.32 132.47,108.15 132.21,107.97 131.99,107.78 131.8,107.6 131.61,107.43 131.42,107.28 131.19,107.15 130.93,107.05 130.61,106.99 130.22,106.96
nrow0 on Top: 111.17,106.71 111.56,106.69 111.88,106.63 112.14,106.53 112.37,106.4 112.56,106.25 112.75,106.08 112.94,105.9 113.16,105.71 113.42,105.53 113.74,105.35 115.28,106.84 113.74,108.32 113.42,108.15 113.16,107.97 112.94,107.78 112.75,107.6 112.56,107.43 112.37,107.28 112.14,107.15 111.88,107.05 111.56,106.99 111.17,106.96
nrow0 on Top: 74.12,104.42 74.42,104.69 74.69,104.87 74.94,104.98 75.19,105.05 75.44,105.08 75.69,105.09 75.95,105.1 76.24,105.13 76.55,105.18 76.9,105.28 76.94,107.42 74.8,107.38 74.7,107.03 74.65,106.72 74.62,106.43 74.61,106.17 74.6,105.92 74.57,105.67 74.5,105.42 74.39,105.17 74.21,104.9 73.94,104.6
nrow0 on Top: 101.45,106.96 101.15,106.98 100.91,107.03 100.71,107.1 100.54,107.19 100.39,107.3 100.25,107.43 100.1,107.56 99.94,107.7 99.74,107.83 99.5,107.96 98.33,106.84 99.5,105.71 99.74,105.84 99.94,105.98 100.1,106.12 100.25,106.25 100.39,106.37 100.54,106.48 100.71,106.58 100.91,106.65 101.15,106.7 101.45,106.71
nrow0 on Top: 82.4,106.96 82.1,106.98 81.86,107.03 81.66,107.1 81.49,107.19 81.34,107.3 81.2,107.43 81.05,107.56 80.89,107.7 80.69,107.83 80.45,107.96 79.28,106.84 80.45,105.71 80.69,105.84 80.89,105.98 81.05,106.12 81.2,106.25 81.34,106.37 81.49,106.48 81.66,106.58 81.86,106.65 82.1,106.7 82.4,106.71
nrow0 on Top: 20.49,106.96 20.19,106.98 19.95,107.03 19.75,107.1 19.58,107.19 19.43,107.3 19.29,107.43 19.14,107.56 18.97,107.7 18.78,107.83 18.54,107.96 17.37,106.84 18.54,105.71 18.78,105.84 18.97,105.98 19.14,106.12 19.29,106.25 19.43,106.37 19.58,106.48 19.75,106.58 19.95,106.65 20.19,106.7 20.49,106.71
nrow1 on Top: 120.5,83.15 120.2,83.17 119.96,83.21 119.76,83.29 119.59,83.38 119.44,83.49 119.3,83.62 119.15,83.75 118.99,83.88 118.79,84.02 118.55,84.15 117.38,83.03 118.55,81.9 118.79,82.03 118.99,82.17 119.15,82.3 119.3,82.44 119.44,82.56 119.59,82.67 119.76,82.77 119.96,82.84 120.2,82.88 120.5,82.9
nrow1 on Top: 58.59,83.15 58.29,83.17 58.05,83.21 57.85,83.29 57.68,83.38 57.53,83.49 57.39,83.62 57.24,83.75 57.07,83.88 56.88,84.02 56.64,84.15 55.47,83.03 56.64,81.9 56.88,82.03 57.07,82.17 57.24,82.3 57.39,82.44 57.53,82.56 57.68,82.67 57.85,82.77 58.05,82.84 58.29,82.88 58.59,82.9
nrow1 on Top: 49.26,82.9 49.65,82.88 49.97,82.81 50.23,82.71 50.45,82.59 50.65,82.43 50.84,82.26 51.03,82.08 51.25,81.9 51.51,81.72 51.83,81.54 53.37,83.03 51.83,84.51 51.51,84.34 51.25,84.15 51.03,83.97 50.84,83.79 50.65,83.62 50.45,83.47 50.23,83.34 49.97,83.24 49.65,83.17 49.26,83.15
nrow1 on Top: 82.4,83.15 82.1,83.17 81.86,83.21 81.66,83.29 81.49,83.38 81.34,83.49 81.2,83.62 81.05,83.75 80.89,83.88 80.69,84.02 80.45,84.15 79.28,83.03 80.45,81.9 80.69,82.03 80.89,82.17 81.05,82.3 81.2,82.44 81.34,82.56 81.49,82.67 81.66,82.77 81.86,82.84 82.1,82.88 82.4,82.9
nrow1 on Top: 39.54,83.15 39.24,83.17 39,83.21 38.8,83.29 38.63,83.38 38.48,83.49 38.34,83.62 38.19,83.75 38.02,83.88 37.83,84.02 37.59,84.15 36.42,83.03 37.59,81.9 37.83,82.03 38.02,82.17 38.19,82.3 38.34,82.44 38.48,82.56 38.63,82.67 38.8,82.77 39,82.84 39.24,82.88 39.54,82.9
nrow1 on Top: 73.07,82.9 73.46,82.88 73.78,82.81 74.04,82.71 74.27,82.59 74.46,82.43 74.65,82.26 74.84,82.08 75.06,81.9 75.32,81.72 75.64,81.54 77.18,83.03 75.64,84.51 75.32,84.34 75.06,84.15 74.84,83.97 74.65,83.79 74.46,83.62 74.27,83.47 74.04,83.34 73.78,83.24 73.46,83.17 73.07,83.15
nrow1 on Top: 20.49,83.15 20.19,83.17 19.95,83.21 19.75,83.29 19.58,83.38 19.43,83.49 19.29,83.62 19.14,83.75 18.97,83.88 18.78,84.02 18.54,84.15 17.37,83.03 18.54,81.9 18.78,82.03 18.97,82.17 19.14,82.3 19.29,82.44 19.43,82.56 19.58,82.67 19.75,82.77 19.95,82.84 20.19,82.88 20.49,82.9
nrow1 on Top: 92.12,82.9 92.51,82.88 92.83,82.81 93.09,82.71 93.32,82.59 93.51,82.43 93.7,82.26 93.89,82.08 94.11,81.9 94.37,81.72 94.69,81.54 96.23,83.03 94.69,84.51 94.37,84.34 94.11,84.15 93.89,83.97 93.7,83.79 93.51,83.62 93.32,83.47 93.09,83.34 92.83,83.24 92.51,83.17 92.12,83.15
nrow1 on Top: 130.22,82.9 130.61,82.88 130.93,82.81 131.19,82.71 131.42,82.59 131.61,82.43 131.8,82.26 131.99,82.08 132.21,81.9 132.47,81.72 132.79,81.54 134.33,83.03 132.79,84.51 132.47,84.34 132.21,84.15 131.99,83.97 131.8,83.79 131.61,83.62 131.42,83.47 131.19,83.34 130.93,83.24 130.61,83.17 130.22,83.15
nrow1 on Top: 111.17,82.9 111.56,82.88 111.88,82.81 112.14,82.71 112.37,82.59 112.56,82.43 112.75,82.26 112.94,82.08 113.16,81.9 113.42,81.72 113.74,81.54 115.28,83.03 113.74,84.51 113.42,84.34 113.16,84.15 112.94,83.97 112.75,83.79 112.56,83.62 112.37,83.47 112.14,83.34 111.88,83.24 111.56,83.17 111.17,83.15
